# Allegro board 1151864-PCIE3_0_X16-166-20240802_20240815_2000_pcb.brd (continued)
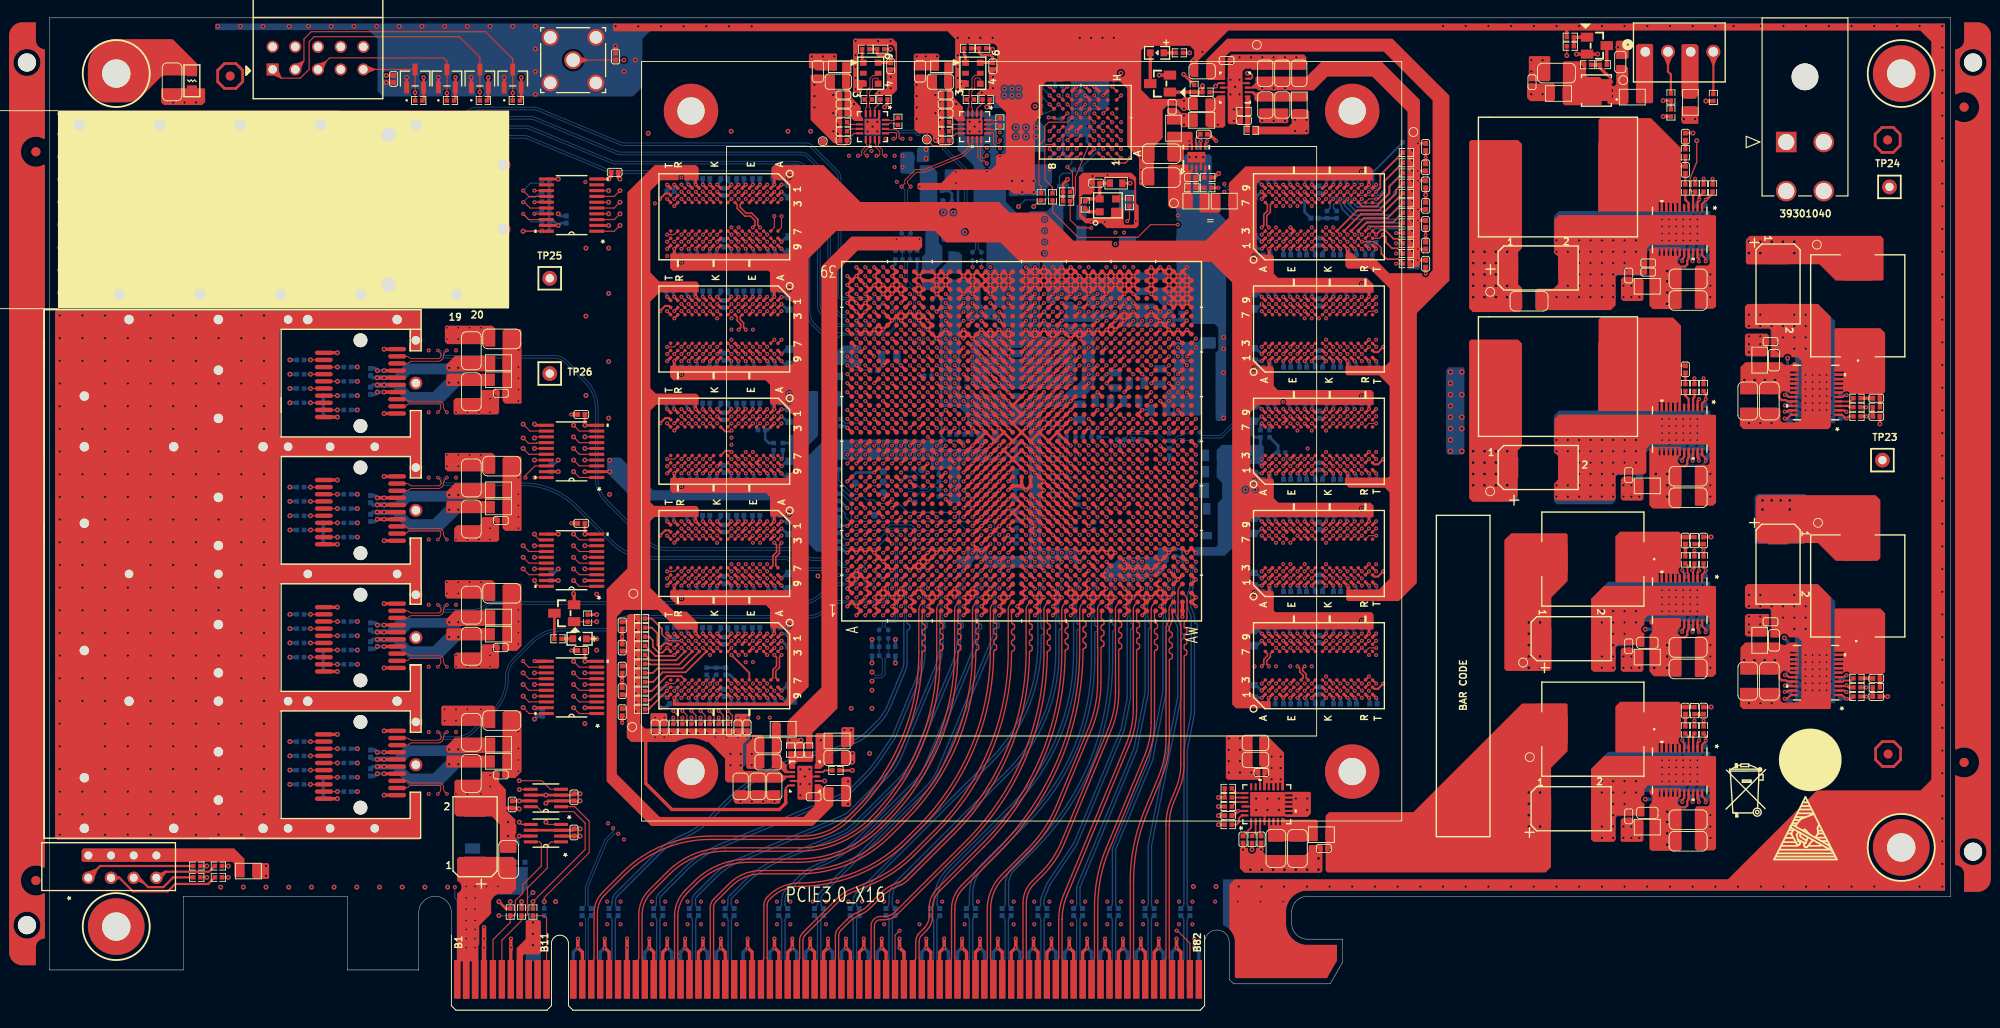
[diagram p0: board, top side]
## Routing (per net, layer and track width the routed paths; a pad name or vN(x,y) marks a point on that pad's centre or on a via; arc(x,y) is an arc through that point) (continued)
N16842539: length 7.3
  BOTTOM w0.15: P2.A25 71.65,5.09 arc(71.69,5.28) 71.8,5.44 71.82,5.46 arc(71.93,5.63) 71.96,5.82 71.97,5.83 71.97,7.21 71.97,10.02 arc(71.93,10.23) 71.81,10.41 C325.2
N16842603: length 7.3
  BOTTOM w0.15: C328.2 76.49,10.42 arc(76.38,10.27) 76.34,10.08 76.34,7.06 76.34,5.79 arc(76.38,5.61) 76.48,5.45 76.5,5.43 arc(76.61,5.27) 76.65,5.08 P2.A30
N16842605: length 7.3
  BOTTOM w0.15: C327.2 75.81,10.41 arc(75.93,10.23) 75.97,10.02 75.97,7.21 75.97,5.83 75.96,5.82 arc(75.93,5.63) 75.82,5.46 75.8,5.44 arc(75.69,5.28) 75.65,5.09 P2.A29
N16842669: length 7.3
  BOTTOM w0.15: P2.A36 82.65,5.08 arc(82.61,5.27) 82.5,5.43 82.48,5.45 arc(82.38,5.61) 82.34,5.79 82.34,7.06 82.34,10.08 arc(82.38,10.27) 82.49,10.42 C332.2
N16842671: length 7.3
  BOTTOM w0.15: C331.2 81.81,10.41 arc(81.93,10.23) 81.97,10.02 81.97,7.21 81.97,5.83 81.96,5.82 arc(81.93,5.63) 81.82,5.46 81.8,5.44 arc(81.69,5.28) 81.65,5.09 P2.A35
N16842735: length 7.3
  BOTTOM w0.15: C334.2 86.49,10.42 arc(86.38,10.27) 86.34,10.08 86.34,7.06 86.34,5.79 arc(86.38,5.61) 86.48,5.45 86.5,5.43 arc(86.61,5.27) 86.65,5.08 P2.A40
N16842737: length 7.3
  BOTTOM w0.15: C333.2 85.81,10.41 arc(85.93,10.23) 85.97,10.02 85.97,7.21 85.97,5.83 85.96,5.82 arc(85.93,5.63) 85.82,5.46 85.8,5.44 arc(85.69,5.28) 85.65,5.09 P2.A39
N16842801: length 7.3
  BOTTOM w0.15: P2.A44 90.65,5.08 arc(90.61,5.27) 90.5,5.43 90.48,5.45 arc(90.38,5.61) 90.34,5.79 90.34,10.08 arc(90.38,10.27) 90.49,10.42 C336.2
N16842803: length 7.3
  BOTTOM w0.15: P2.A43 89.65,5.09 arc(89.69,5.28) 89.8,5.44 89.82,5.46 arc(89.93,5.63) 89.96,5.82 89.97,5.83 89.97,10.02 arc(89.93,10.23) 89.81,10.41 C335.2
N16842867: length 7.3
  BOTTOM w0.15: P2.A48 94.65,5.08 arc(94.61,5.27) 94.5,5.43 94.48,5.45 arc(94.38,5.61) 94.34,5.79 94.34,10.08 arc(94.38,10.27) 94.49,10.42 C338.2
N16842869: length 7.3
  BOTTOM w0.15: C337.2 93.81,10.41 arc(93.93,10.23) 93.97,10.02 93.97,5.83 93.96,5.82 arc(93.93,5.63) 93.82,5.46 93.8,5.44 arc(93.69,5.28) 93.65,5.09 P2.A47
N16842933: length 7.3
  BOTTOM w0.15: C340.2 99.49,10.42 arc(99.38,10.27) 99.34,10.08 99.34,5.79 arc(99.38,5.61) 99.48,5.45 99.5,5.43 arc(99.61,5.27) 99.65,5.08 P2.A53
N16842935: length 7.3
  BOTTOM w0.15: P2.A52 98.65,5.09 arc(98.69,5.28) 98.8,5.44 98.82,5.46 arc(98.93,5.63) 98.96,5.82 98.97,5.83 98.97,10.02 arc(98.93,10.23) 98.81,10.41 C339.2
N16842999: length 7.3
  BOTTOM w0.15: P2.A57 103.65,5.08 arc(103.61,5.27) 103.5,5.43 103.48,5.45 arc(103.38,5.61) 103.34,5.79 103.34,10.08 arc(103.38,10.27) 103.49,10.42 C344.2
N16843001: length 7.3
  BOTTOM w0.15: C343.2 102.81,10.41 arc(102.93,10.23) 102.97,10.02 102.97,5.83 102.96,5.82 arc(102.93,5.63) 102.82,5.46 102.8,5.44 arc(102.69,5.28) 102.65,5.09 P2.A56
N16843065: length 7.3
  BOTTOM w0.15: C346.2 107.49,10.42 arc(107.38,10.27) 107.34,10.08 107.34,5.79 arc(107.38,5.61) 107.48,5.45 107.5,5.43 arc(107.61,5.27) 107.65,5.08 P2.A61
N16843067: length 7.3
  BOTTOM w0.15: C345.2 106.81,10.41 arc(106.93,10.23) 106.97,10.02 106.97,5.83 106.96,5.82 arc(106.93,5.63) 106.82,5.46 106.8,5.44 arc(106.69,5.28) 106.65,5.09 P2.A60
N16843131: length 7.3
  BOTTOM w0.15: C348.2 111.49,10.42 arc(111.38,10.27) 111.34,10.08 111.34,5.79 arc(111.38,5.61) 111.48,5.45 111.5,5.43 arc(111.61,5.27) 111.65,5.08 P2.A65
N16843133: length 7.3
  BOTTOM w0.15: C347.2 110.81,10.41 arc(110.93,10.23) 110.97,10.02 110.97,5.83 110.96,5.82 arc(110.93,5.63) 110.82,5.46 110.8,5.44 arc(110.69,5.28) 110.65,5.09 P2.A64
N16843197: length 7.3
  BOTTOM w0.15: C350.2 115.49,10.42 arc(115.38,10.27) 115.34,10.08 115.34,5.79 arc(115.38,5.61) 115.48,5.45 115.5,5.43 arc(115.61,5.27) 115.65,5.08 P2.A69
N16843199: length 7.3
  BOTTOM w0.15: C349.2 114.81,10.41 arc(114.93,10.23) 114.97,10.02 114.97,5.83 114.96,5.82 arc(114.93,5.63) 114.82,5.46 114.8,5.44 arc(114.69,5.28) 114.65,5.09 P2.A68
N16843263: length 7.3
  BOTTOM w0.15: C352.2 119.49,10.42 arc(119.38,10.27) 119.34,10.08 119.34,5.79 arc(119.38,5.61) 119.48,5.45 119.5,5.43 arc(119.61,5.27) 119.65,5.08 P2.A73
N16843265: length 7.3
  BOTTOM w0.15: C351.2 118.81,10.41 arc(118.93,10.23) 118.97,10.02 118.97,5.83 118.96,5.82 arc(118.93,5.63) 118.82,5.46 118.8,5.44 arc(118.69,5.28) 118.65,5.09 P2.A72
N16843329: length 7.3
  BOTTOM w0.15: P2.A77 123.65,5.08 arc(123.61,5.27) 123.5,5.43 123.48,5.45 arc(123.38,5.61) 123.34,5.79 123.34,10.08 arc(123.38,10.27) 123.49,10.42 C354.2
N16843331: length 7.3
  BOTTOM w0.15: P2.A76 122.65,5.09 arc(122.69,5.28) 122.8,5.44 122.82,5.46 arc(122.93,5.63) 122.96,5.82 122.97,5.83 122.97,10.02 arc(122.93,10.23) 122.81,10.41 C353.2
N16843395: length 7.3
  BOTTOM w0.15: C356.2 127.49,10.42 arc(127.38,10.27) 127.34,10.08 127.34,5.79 arc(127.38,5.61) 127.48,5.45 127.5,5.43 arc(127.61,5.27) 127.65,5.08 P2.A81
N16843397: length 7.3
  BOTTOM w0.15: C355.2 126.81,10.41 arc(126.93,10.23) 126.97,10.02 126.97,5.83 126.96,5.82 arc(126.93,5.63) 126.82,5.46 126.8,5.44 arc(126.69,5.28) 126.65,5.09 P2.A80
N16845868: length 7.2
  BOTTOM w0.127: P2.A11 55.65,10.34 R203.1
N16846869: length 7.4
  BOTTOM w0.102: P2.A13 59.65,5.29 60.01,5.66 60.01,10.21 C319.1
N16846872: length 7.4
  BOTTOM w0.102: C320.1 60.31,10.24 60.31,5.63 60.65,5.29 P2.A14
N16851432: length 5.1
  TOP w0.127: TP1.1 87.13,96.77 88.93,96.77 89.29,97.13 C363.2 90.07,98.22 U20.8
N16851482: length 5.1
  TOP w0.305: R207.2 L24.1 92.66,107.64 92.66,107.11 92.81,106.96 93.95,106.96 94.17,106.74 C357.2 U21.6
N16851524: length 1.6
  TOP w0.305: R207.1 90.97,106.26 U21.1
N16851626: length 4.5
  TOP w0.305: R208.1 93.82,101.5 v2(93.48,101.17)
  ART03 w0.305: v2(93.48,101.17) 90.41,101.17 v2(90.08,101.5)
N16851763: length 1.5
  TOP w0.127: U20.6 89.53,99.22 R210.1
N16851767: length 1.5
  TOP w0.127: U20.7 89.55,98.72 R211.1
N16852110: length 13
  TOP w0.127: U1.F10 v1(95.32,53.23)
  BOTTOM w0.102: C16.1 93.53,42.94 93.53,43.25 93.76,43.48 94.69,43.48 94.97,43.75 94.97,44.02 94.92,44.07 94.92,53.13 95.02,53.23 v1(95.32,53.23)
N16852112: length 12.9
  TOP w0.127: U1.E10 v1(94.32,53.23)
  BOTTOM w0.102: C17.1 93.23,42.94 93.23,43.37 93.63,43.77 94.57,43.77 94.67,43.88 94.67,44.02 94.72,44.07 94.72,53.03 94.52,53.23 v1(94.32,53.23)
N16871454: length 1.9
  TOP w0.127: R208.2 93.02,101.67 92.38,101.03 U20.2
N16871901: length 1.7
  TOP w0.305: R213.2 102.38,107.03 102.54,106.87 U22.1
N16871904: length 5.1
  TOP w0.305: R213.1 L26.1 104.06,107.26 104.33,106.98 105.33,106.98 105.6,106.72 C364.2 U22.6
N16872741: length 4.5
  TOP w0.305: v2(104.91,101.17) 105.25,101.5 R214.1
  ART03 w0.381: v2(104.91,101.17) 104.58,101.5 v2(101.51,101.5)
N16872743: length 1.9
  TOP w0.127: R214.2 104.45,101.62 103.81,100.98 U23.2
N16873165: length 5.1
  TOP w0.127: U23.8 101.5,98.22 C374.2 100.72,96.95 100.59,96.82 98.91,96.82 TP2.1
N16873548: length 1.5
  TOP w0.127: U23.6 100.96,99.22 R216.1
N16873553: length 1.5
  TOP w0.127: U23.7 100.98,98.72 R217.1
N16885377: length 1.3
  TOP w0.127: U4.F9 v1(77.95,72.7)
  BOTTOM w0.127: R70.1 78.07,72.58 v1(77.95,72.7)
N16889070: length 1.3
  TOP w0.127: U5.F9 v1(77.95,85.27)
  BOTTOM w0.127: R72.1 78.07,85.15 v1(77.95,85.27)
N16891334: length 1.3
  TOP w0.127: U4.N9 v1(71.55,72.7)
  BOTTOM w0.127: v1(71.55,72.7) 71.72,72.53 R69.2
N16891850: length 1.3
  TOP w0.127: U5.N9 v1(71.55,85.27)
  BOTTOM w0.127: v1(71.55,85.27) 71.72,85.1 R71.2
N16893653: length 1.3
  TOP w0.127: U6.F9 v1(77.95,47.56)
  BOTTOM w0.127: R75.1 78.07,47.43 v1(77.95,47.56)
N16894245: length 1.3
  TOP w0.127: U7.F9 v1(77.95,34.98)
  BOTTOM w0.127: v1(77.95,34.98) 78.07,34.86 R77.1
N16894558: length 1.3
  TOP w0.127: U6.N9 v1(71.55,47.56)
  BOTTOM w0.127: v1(71.55,47.56) 71.72,47.38 R74.2
N16894677: length 1.3
  TOP w0.127: U7.N9 v1(71.55,34.98)
  BOTTOM w0.127: v1(71.55,34.98) 71.72,34.81 R76.2
N16896749: length 1.3
  TOP w0.127: U9.F9 v1(139.69,92.47)
  BOTTOM w0.127: v1(139.69,92.47) 139.57,92.6 R112.1
N16897341: length 1.3
  TOP w0.127: U10.F9 v1(139.69,79.9)
  BOTTOM w0.127: v1(139.69,79.9) 139.57,80.03 R114.1
N16897671: length 1.3
  TOP w0.127: U9.N9 v1(146.09,92.47)
  BOTTOM w0.127: R111.2 145.92,92.65 v1(146.09,92.47)
N16897790: length 1.3
  TOP w0.127: U10.N9 v1(146.09,79.9)
  BOTTOM w0.127: R113.2 145.92,80.08 v1(146.09,79.9)
N16905264: length 1.3
  TOP w0.127: U11.F9 v1(139.69,42.18)
  BOTTOM w0.127: v1(139.69,42.18) 139.57,42.31 R117.1
N16905856: length 1.3
  TOP w0.127: U12.F9 v1(139.69,54.76)
  BOTTOM w0.127: v1(139.69,54.76) 139.57,54.88 R119.1
N16906169: length 1.3
  TOP w0.127: U11.N9 v1(146.09,42.18)
  BOTTOM w0.127: v1(146.09,42.18) 145.92,42.36 R116.2
N16906288: length 1.3
  TOP w0.127: U12.N9 v1(146.09,54.76)
  BOTTOM w0.127: R118.2 145.92,54.93 v1(146.09,54.76)
N16916920: length 14.6
  TOP w0.102: v1(96.4,92.25) 96.04,92.61 96.04,92.86 97.05,93.86 97.95,93.86 102.29,95.66 103.21,96.58 103.21,97.1 103.31,97.21 U23.10
  BOTTOM w0.102: C372.1 96.04,88.33 96.04,91.89 v1(96.4,92.25)
N16916923: length 14.6
  TOP w0.102: v1(95.39,92.25) 95.75,92.61 95.75,92.98 96.93,94.16 97.89,94.16 102.13,95.91 102.91,96.7 102.91,97.1 102.81,97.2 U23.9
  BOTTOM w0.102: C373.1 95.75,88.33 95.75,91.89 v1(95.39,92.25)
N16922548: length 2.5
  TOP w0.127: U1.P28 v1(102.32,72.23)
  BOTTOM w0.127: R44.2 102.8,70.78 102.8,71.74 v1(102.32,72.23)
N16922617: length 2.8
  TOP w0.127: U1.P23 v1(102.32,66.23)
  BOTTOM w0.127: v1(102.32,66.23) 101.81,65.72 101.81,65 101.52,64.71 R37.2
N16922663: length 1.5
  TOP w0.127: U1.P21 v1(102.32,65.23)
  BOTTOM w0.127: v1(102.32,65.23) 102.42,65.13 R35.2
N16926271: length 3.9
  TOP w0.127: U1.AF18 v1(115.32,61.23)
  BOTTOM w0.127: v1(115.32,61.23) 114.77,61.78 114.77,63.66 114.86,63.75 R68.2
N16926430: length 1.5
  TOP w0.127: U1.AF12 v1(115.32,55.23)
  BOTTOM w0.127: v1(115.32,55.23) 114.89,54.8 R59.2
N16926476: length 6.7
  TOP w0.127: U1.AF16 v1(115.32,59.23)
  BOTTOM w0.127: v1(115.32,59.23) 114.86,59.69 114.16,59.69 113.89,59.96 R61.2
N16934040: length 2.3
  TOP w0.254: 182.51,83.29 183.06,83.29 183.32,83.54 183.32,83.96 183.47,84.33 U24.19
  vias: v3(181.07,82.8) v3(181.07,81.65) v3(181.07,80.38) v3(181.07,79.11)
N16934962: length 1.7
  TOP w0.305: R227.1 C376.1 182.48,94.53
N16935168: length 2
  TOP w0.254: R224.1 183.1,90.77 183.47,90.4 U24.4
N16935173: length 1.2
  TOP w0.254: C376.2 R224.2
N16935346: length 1
  TOP w0.305: C385.2 R227.2
N16935448: length 2
  TOP w0.254: v1(185.38,83.88) 185.38,84.16 184.97,84.57 U24.22
  BOTTOM w0.254: v1(185.38,83.88) 185.63,84.13 R221.1
N16935455: length 1.7
  TOP w0.254: v1(184.61,83.88) 184.61,84.13 184.47,84.28 U24.21
  BOTTOM w0.254: R220.1 v1(184.61,83.88)
N16935462: length 1.8
  TOP w0.254: U24.20 183.97,83.98 183.91,83.93 v1(183.91,83.9)
  BOTTOM w0.254: v1(183.91,83.9) 183.89,83.9 183.6,84.19 R219.1
N16937065: length 3.1
  TOP w0.254: v1(185.39,90.8) 185.39,90.72 184.97,90.3 U24.1
  TOP w0.305: R226.2 186.15,91.48 185.47,90.8 v1(185.39,90.8)
  BOTTOM w0.254: R223.2 v1(185.39,90.8)
N16937174: length 2.9
  TOP w0.254: U24.2 184.47,90.56 184.64,90.73 v1(184.64,90.8)
  TOP w0.305: v1(184.64,90.8) 184.64,91.11 185.14,91.61 R222.2
  BOTTOM w0.305: v1(184.64,90.8) 184.64,90.66 184.39,90.4 R225.1
N16938331: length 2.3
  TOP w0.254: U25.19 183.47,42.8 183.32,42.43 183.32,42.01 183.06,41.76 182.51,41.76
  vias: v3(179.62,38.35) v3(181.07,40.89) v3(181.07,39.62) v3(181.07,38.35)
N16938383: length 1.8
  TOP w0.254: U25.20 183.97,42.45 183.91,42.4 v1(183.91,42.37)
  BOTTOM w0.254: v1(183.91,42.37) 183.89,42.37 183.6,42.66 R230.2
N16938387: length 1.7
  TOP w0.254: v1(184.61,42.35) 184.61,42.6 184.47,42.75 U25.21
  BOTTOM w0.254: R231.2 v1(184.61,42.35)
N16938391: length 11
  TOP w0.254: U25.22 184.97,43.04 185.38,42.63 v1(185.38,42.35)
  ART03 w0.381: v2(178.62,42.67) 180.87,42.67 181.94,41.6 185,41.6 185.38,41.98 v1(185.38,42.35)
  BOTTOM w0.254: v1(185.38,42.35) 185.63,42.6 R232.2
  BOTTOM w0.381: R233.2 v2(178.62,42.67)
N16938407: length 1.6
  TOP w0.381: R237.1 C393.1 182.48,53
N16938429: length 2.7
  TOP w0.203: R234.1 185.14,49.52 v1(185.39,49.27)
  TOP w0.254: U25.1 184.97,48.77 185.39,49.19 v1(185.39,49.27)
  BOTTOM w0.254: R229.2 v1(185.39,49.27)
N16938437: length 1.8
  TOP w0.203: U25.4 183.47,48.87 183.34,49 183.34,49.8 R236.1
N16938445: length 1.4
  TOP w0.381: C393.2 R236.2
N16951020: length 3.3
  TOP w0.203: U31.3 128.37,93.37 C436.1
  TOP w0.381: C436.1 R277.1 R279.1
N16951039: length 1.2
  TOP w0.203: U31.5 129.37,93.8 129.25,93.68 R276.2
N16951043: length 4.3
  TOP w0.203: v1(129.58,97.36) 129.58,97.26 129.37,97.05 U31.6
  ART03 w0.305: v1(127.6,97.36) 128.29,98.04 129.27,98.04 129.58,97.74 v1(129.58,97.36)
  BOTTOM w0.381: v1(129.58,97.36) 129.5,97.28 R278.1
N16951091: length 1.6
  TOP w0.203: C438.2 128.32,97.64 128.32,97.16 128.37,97.11 U31.8
N16951254: length 1.5
  TOP w0.203: U31.7 v1(128.87,97.36)
  BOTTOM w0.381: R278.2 128.7,97.19 v1(128.87,97.36)
N16959143: length 1.3
  TOP w0.127: U8.F9 v1(77.95,60.13)
  BOTTOM w0.127: R108.1 78.07,60 v1(77.95,60.13)
N16959278: length 1.3
  TOP w0.127: U8.N9 v1(71.55,60.13)
  BOTTOM w0.127: v1(71.55,60.13) 71.72,59.95 R107.2
N16964872: length 1.3
  TOP w0.127: U13.F9 v1(139.69,67.33)
  BOTTOM w0.127: v1(139.69,67.33) 139.57,67.45 R150.1
N16965007: length 1.3
  TOP w0.127: U13.N9 v1(146.09,67.33)
  BOTTOM w0.127: v1(146.09,67.33) 145.92,67.5 R149.2
N17001920: length 2.1
  TOP w0.305: v1(49.94,89.88) v1(49.28,89.88) J3.29
N17001923: length 1.4
  TOP w0.305: J3.30 v1(49.28,90.68)
  vias: v1(49.94,90.68) v2(42.27,88.94) v2(42.27,88.05)
N17001939: length 1.4
  TOP w0.305: v1(43.99,89.48) J3.10
N17005157: length 3.8
  TOP w0.381: P1.A15 v2(37.47,70.04) v2(36.71,70.04)
  BOTTOM w0.381: C280.1 36.22,70.04 v2(36.71,70.04) v2(37.47,70.04)
  vias: v2(44.75,70.3) v2(45.77,70.3)
N17005403: length 3.8
  TOP w0.381: P1.A16 v2(37.47,70.84) v2(36.71,70.84)
  BOTTOM w0.381: C287.1 36.21,70.84 v2(36.71,70.84) v2(37.47,70.84)
  vias: v2(44.75,71.95) v2(45.77,71.95)
N17005939: length 3.8
  TOP w0.381: v2(36.71,55.79) v2(37.47,55.79) 37.47,55.79 P1.B15
  BOTTOM w0.381: v2(37.47,55.79) v2(36.71,55.79) 36.22,55.79 C284.1
  vias: v2(44.75,56.05) v2(45.77,56.05)
N17006006: length 3.8
  TOP w0.381: v2(36.71,56.59) v2(37.47,56.59) P1.B16
  BOTTOM w0.381: C290.1 36.21,56.59 v2(36.71,56.59) v2(37.47,56.59)
  vias: v2(44.75,57.7) v2(45.77,57.7)
N17006394: length 3.8
  TOP w0.381: P1.C15 v2(37.47,41.54) v2(36.71,41.54)
  BOTTOM w0.381: v2(37.47,41.54) v2(36.71,41.54) 36.22,41.54 C292.1
  vias: v2(44.75,41.8) v2(45.77,41.8)
N17006461: length 3.8
  TOP w0.381: v2(36.71,42.34) v2(37.47,42.34) P1.C16
  BOTTOM w0.381: C296.1 36.21,42.34 v2(36.71,42.34) v2(37.47,42.34)
  vias: v2(44.75,43.45) v2(45.77,43.45)
N17006887: length 3.8
  TOP w0.381: v2(36.71,27.29) v2(37.47,27.29) P1.D15
  BOTTOM w0.381: C298.1 36.22,27.29 v2(36.71,27.29) v2(37.47,27.29)
  vias: v2(44.75,27.55) v2(45.77,27.55)
N17006954: length 3.8
  TOP w0.381: P1.D16 v2(37.47,28.09) v2(36.71,28.09)
  BOTTOM w0.381: C302.1 36.21,28.09 v2(36.71,28.09) v2(37.47,28.09)
  vias: v2(44.75,29.2) v2(45.77,29.2)
N17028921: length 2.3
  TOP w0.254: 193.63,37.76 193.63,37.21 193.88,36.95 194.3,36.95 194.67,36.8 U26.19
  vias: v3(189.66,39.2) v3(190.83,39.2) v3(191.97,39.2) v3(193.11,39.2)
N17028973: length 1.8
  TOP w0.254: U26.20 194.32,36.3 194.27,36.36 v1(194.24,36.36)
  BOTTOM w0.254: R239.2 194.53,36.67 194.24,36.38 v1(194.24,36.36)
N17028977: length 1.7
  TOP w0.254: U26.21 194.62,35.8 194.47,35.65 v1(194.22,35.65)
  BOTTOM w0.254: R240.2 v1(194.22,35.65)
N17028981: length 11.9
  TOP w0.254: U26.22 194.91,35.3 194.5,34.89 v1(194.22,34.89)
  ART03 w0.305: v2(194.18,41.7) 194.31,41.7 194.8,41.22 194.8,38.61 194.49,38.3 194.09,38.3 193.47,37.69 193.47,35.38 193.96,34.89 v1(194.22,34.89)
  BOTTOM w0.254: R241.2 194.47,34.64 v1(194.22,34.89)
  BOTTOM w0.381: v2(194.18,41.7) 194.54,41.34 R242.2
N17028997: length 1.6
  TOP w0.381: 204.87,37.79 C402.1 R247.1
N17029019: length 2.7
  TOP w0.254: R245.1 201.65,34.88 v1(201.14,34.88) 201.06,34.88 200.64,35.3 U26.1
  BOTTOM w0.254: R238.2 v1(201.14,34.88)
N17029027: length 1.8
  TOP w0.203: R244.1 201.67,36.93 200.87,36.93 200.74,36.8 U26.4
N17029031: length 1.4
  TOP w0.381: R244.2 C402.2
N17033354: length 2.3
  TOP w0.254: U27.19 183.47,23.75 183.32,23.38 183.32,22.96 183.06,22.71 182.51,22.71
  vias: v3(181.07,22.22) v3(181.07,21.08) v3(181.07,19.81) v3(181.07,18.54)
N17033435: length 1.8
  TOP w0.254: U27.20 183.97,23.4 183.91,23.35 v1(183.91,23.32)
  BOTTOM w0.254: v1(183.91,23.32) 183.89,23.32 183.6,23.61 R250.2
N17033439: length 1.7
  TOP w0.254: v1(184.61,23.3) 184.61,23.55 184.47,23.7 U27.21
  BOTTOM w0.254: R251.2 v1(184.61,23.3)
N17033443: length 10.7
  TOP w0.254: U27.22 184.97,23.99 185.38,23.58 v1(185.38,23.3)
  ART03 w0.305: v1(185.38,23.3) 185.38,23.49 184.76,24.1 179.1,24.1 v2(178.62,23.62)
  BOTTOM w0.254: v1(185.38,23.3) 185.63,23.55 R252.2
  BOTTOM w0.381: R253.2 v2(178.62,23.62)
N17033459: length 1.6
  TOP w0.381: 182.48,33.95 C411.1 R257.1
N17033481: length 2.7
  TOP w0.254: R255.1 185.39,30.73 v1(185.39,30.22) 185.39,30.14 184.97,29.72 U27.1
  BOTTOM w0.254: R249.2 v1(185.39,30.22)
N17033487: length 1.8
  TOP w0.203: U27.4 183.47,30.62 R254.1
N17033491: length 1.4
  TOP w0.381: R254.2 C411.2
N17035498: length 2.3
  TOP w0.254: U29.19 194.67,68.18 194.3,68.34 193.88,68.34 193.63,68.59 193.63,69.14
  vias: v3(189.71,70.58) v3(190.85,70.58) v3(191.99,70.58) v3(193.14,70.58)
N17035579: length 1.8
  TOP w0.254: U29.20 194.32,67.68 194.27,67.74 v1(194.24,67.74)
  BOTTOM w0.254: R265.2 194.53,68.05 194.24,67.76 v1(194.24,67.74)
N17035583: length 1.7
  TOP w0.254: v1(194.22,67.04) 194.47,67.04 194.62,67.18 U29.21
  BOTTOM w0.254: R266.2 v1(194.22,67.04)
N17035587: length 20.1
  TOP w0.254: U29.22 194.91,66.68 194.5,66.28 v1(194.22,66.28)
  ART03 w0.381: v2(194.54,73.04) 194.13,72.62 189.05,72.62 188.65,72.21 188.65,67.79 189.41,67.03 192.97,67.03 193.73,66.28 v1(194.22,66.28)
  BOTTOM w0.254: v1(194.22,66.28) 194.47,66.02 R267.2
  BOTTOM w0.305: R268.2 v2(194.54,73.04)
N17035603: length 1.6
  TOP w0.381: R272.1 C429.1 204.87,69.17
N17035625: length 2.7
  TOP w0.203: R270.1 201.39,66.52 v1(201.14,66.26)
  TOP w0.254: U29.1 200.64,66.68 201.06,66.26 v1(201.14,66.26)
  BOTTOM w0.254: R264.2 v1(201.14,66.26)
N17035631: length 1.8
  TOP w0.203: R269.1 201.54,68.18 U29.4
N17035635: length 1.4
  TOP w0.381: R269.2 C429.2
N17039283: length 2.3
  TOP w0.254: 182.51,60.94 183.06,60.94 183.32,61.19 183.32,61.61 183.47,61.97 U32.19
  vias: v3(179.8,60.06) v3(181.07,60.06) v3(181.07,58.79) v3(181.07,57.52)
N17039331: length 1.9
  TOP w0.254: U32.3 183.97,68.55 184.12,68.7 R280.2
N17039335: length 1.8
  TOP w0.254: v1(183.91,61.55) 183.91,61.58 183.97,61.63 U32.20
  BOTTOM w0.254: v1(183.91,61.55) 183.89,61.55 183.6,61.84 R282.2
N17039339: length 1.7
  TOP w0.254: U32.21 184.47,61.93 184.61,61.78 v1(184.61,61.55)
  BOTTOM w0.254: R283.2 v1(184.61,61.55)
N17039343: length 8.3
  TOP w0.254: v1(185.38,61.52) 185.38,61.81 184.97,62.22 U32.22
  BOTTOM w0.254: R285.2 179.93,61.3 180.25,60.99 184.97,60.99 185.38,61.4 v1(185.38,61.52) 185.63,61.78 R284.2
N17039359: length 0.6
  TOP w0.305: C446.1 182.48,72.18
N17039381: length 2.8
  TOP w0.254: R286.1 185.39,69.09 v1(185.39,68.45) 185.39,68.37 184.97,67.95 U32.1
  BOTTOM w0.254: R281.2 v1(185.39,68.45)
N17039389: length 2
  TOP w0.254: U32.4 183.47,68.46 183.1,68.82 R287.1
N17039397: length 1.2
  TOP w0.254: C446.2 R287.2
N17055839: length 2
  TOP w0.203: U28.1 134.51,20.44 C421.1
N17056138: length 1.6
  TOP w0.203: C420.1 135.51,19.64 U28.3
N17056350: length 1.7
  TOP w0.203: U28.25 132.85,23.31 132.6,23.07 R262.2
N17057824: length 1.8
  TOP w0.203: R261.2 135.01,19.93 U28.2
N17057839: length 2.1
  TOP w0.203: U28.28 133.46,21.81 133.14,21.49 133.14,21.06 132.86,20.78 R260.2
N17058562: length 1.7
  TOP w0.203: R259.2 132.87,24.31 U28.23
N17058567: length 1.5
  TOP w0.203: R258.2 132.35,23.81 U28.24
N17063215: length 5.5
  TOP w0.203: v2(86.78,25.68) U33.7
  ART03 w0.254: v2(86.35,30.23) 86.78,29.79 v2(86.78,25.68)
N17068710: length 5.3
  TOP w0.203: v2(130.52,103.5) 130.85,103.84 U34.7
  ART03 w0.381: v2(130.77,99.19) 130.77,103.25 v2(130.52,103.5)
N17069675: length 1.5
  TOP w0.102: R212.1 106.34,99.89 106.1,99.64 105.64,99.64 105.56,99.72 U23.16
N17069689: length 1.5
  TOP w0.102: R212.2 106.32,99.09 106.06,99.35 105.6,99.35 105.47,99.22 U23.15
N17073406: length 1.6
  TOP w0.127: U8.B7 v1(81.15,61.73)
  BOTTOM w0.305: R97.2 81.08,61.8 v1(81.15,61.73)
N17073416: length 1.6
  TOP w0.127: U8.A7 v1(81.95,61.73)
  BOTTOM w0.305: v1(81.95,61.73) 82.09,61.87 R99.2
N17073860: length 2.3
  TOP w0.127: U8.E2 v1(78.75,66.53)
  BOTTOM w0.127: R94.1 79.15,65.17 79.15,66.13 v1(78.75,66.53)
N17074111: length 1.3
  TOP w0.305: U13.B7 v1(136.49,65.73)
  BOTTOM w0.305: v1(136.49,65.73) 136.56,65.66 R139.2
N17074114: length 1.4
  TOP w0.305: U13.A7 v1(135.69,65.73)
  BOTTOM w0.305: v1(135.69,65.73) 135.55,65.58 R140.2
N17074469: length 2.3
  TOP w0.127: U13.E2 v1(138.89,60.93)
  BOTTOM w0.127: v1(138.89,60.93) 138.49,61.33 138.49,62.29 R136.1
N17081235: length 12.3
  TOP w0.254: R52.1 5.69,16.14 D5.1
N17081237: length 7.5
  TOP w0.254: D5.3 10,14.83 11.05,13.78 12.78,13.78 13.87,14.87 R50.1
N17081239: length 12.9
  TOP w0.254: R51.1 17.79,14.14 14.1,14.14 13.26,13.3 9.37,13.3 7.84,14.83 D5.2
N17081241: length 7.1
  TOP w0.254: D5.4 12.35,14.83 13.03,15.51 17.89,15.51 R49.1
N17114545: length 8.5
  TOP w0.127: R202.2 55.36,10.59 55.65,10.3 P2.B11
N17129760: length 1.5
  TOP w0.102: R206.2 94.78,99.17 94.59,99.36 94.04,99.36 93.9,99.22 U20.15
N17129770: length 1.6
  TOP w0.102: R206.1 94.88,99.97 94.58,99.66 94.08,99.66 94.02,99.72 U20.16
N17130328: length 1.4
  TOP w0.127: U1.F15 v1(95.32,58.23)
  BOTTOM w0.102: C20.1 94.88,58.61 95.26,58.23 v1(95.32,58.23)
N17130342: length 1.5
  TOP w0.127: U1.F14 v1(94.32,58.23)
  BOTTOM w0.102: C19.1 v1(94.32,58.23)
N17184870: length 1
  TOP w0.381: R237.2 C394.2
N17185026: length 1
  TOP w0.381: R247.2 C403.2
N17185729: length 1
  TOP w0.381: R257.2 C413.2
N17187654: length 1
  TOP w0.381: R272.2 C432.2
N17188206: length 2.5
  TOP w0.381: R302.1 R303.1 Q4.1
N17188208: length 3.4
  TOP w0.254: Q3.4 174.7,104.41 174.32,104.79
  TOP w0.381: R299.2 R301.1 173.51,105.6 174.32,104.79
N17188545: length 4.7
  TOP w0.254: R300.1 J6.4
N17188811: length 4.8
  TOP w0.254: J6.2 181.16,105.14 181.48,104.81 R298.1
N17207091: length 1.5
  TOP w0.305: U1.AV34 v1(127.32,78.23)
  BOTTOM w0.381: R32.1 127.22,78.12 v1(127.32,78.23)
N17207391: length 1.8
  TOP w0.203: v1(182.76,49.27) 182.92,48.89 182.97,48.84 U25.5
  BOTTOM w0.203: R235.1 183.12,48.91 v1(182.76,49.27)
N17208468: length 1.8
  TOP w0.203: v1(182.76,30.22) 182.92,29.84 182.97,29.79 U27.5
  BOTTOM w0.254: R256.1 183.12,29.86 v1(182.76,30.22)
N17209058: length 1.8
  TOP w0.203: U26.5 200.71,37.3 200.76,37.35 v1(201.14,37.51)
  BOTTOM w0.254: R246.1 200.78,37.15 v1(201.14,37.51)
N17209416: length 1.7
  TOP w0.203: v1(201.14,68.89) 200.76,68.73 200.71,68.68 U29.5
  BOTTOM w0.254: R271.1 v1(201.14,68.89)
N17212197: length 3.9
  TOP w0.127: U1.C22 v1(91.32,66.23)
  BOTTOM w0.127: R34.1 88.61,66.22 89.06,65.76 90.85,65.76 v1(91.32,66.23)
N17212244: length 3.5
  TOP w0.127: U1.A27 v1(89.32,71.23)
  BOTTOM w0.127: v1(89.32,71.23) 89.8,71.7 91.81,71.7 R36.1
N17212562: length 2.1
  TOP w0.127: U1.L28 v1(99.32,72.23)
  BOTTOM w0.127: v1(99.32,72.23) 98.72,71.62 R43.1
N17212633: length 2.6
  TOP w0.127: U1.AF10 v1(115.32,53.23)
  BOTTOM w0.127: v1(115.32,53.23) 115.84,53.75 116.83,53.75 R58.1
N17212665: length 2
  TOP w0.127: U1.AG13 v1(116.32,56.23)
  BOTTOM w0.127: v1(116.32,56.23) 115.59,56.23 R60.1
N17212971: length 5
  TOP w0.127: U1.AJ18 v1(118.32,61.23)
  BOTTOM w0.127: R67.1 118.43,64.2 118.82,63.8 118.82,61.73 v1(118.32,61.23)
N17214535: length 2.1
  TOP w0.381: Q4.3 174.31,108.03 R301.2
N17215610: length 1.5
  TOP w0.127: U1.AJ28 v1(118.32,72.23)
  BOTTOM w0.127: v1(118.32,72.23) 117.84,72.71 R21.1
N17215747: length 1.5
  TOP w0.127: U3.3 R23.1
N17215756: length 4.6
  TOP w0.381: R22.2 116.22,90.87 U3.4 C4.1 L3.1
N17215758: length 1.8
  TOP w0.381: R22.1 116.31,89.43 U3.1
N17216836: length 2.4
  BOTTOM w0.305: U30.3 101.01,91.47 100.7,91.77 R273.2
N17239270: length 2.1
  BOTTOM w0.305: C154.2 R110.1 R109.1
N17239503: length 2.1
  BOTTOM w0.305: R151.1 R152.1 C243.2
N17243696: length 2.9
  TOP w0.127: U1.K15 v1(98.32,59.23)
  BOTTOM w0.127: v1(98.32,59.23) 97.76,59.78 97.26,60 96.71,60.54 R55.2
N17278385: length 2
  TOP w0.127: U1.D13 v1(93.32,56.23)
  BOTTOM w0.127: TP16.1 93.15,56.23 v1(93.32,56.23)
N17278388: length 1.8
  TOP w0.127: U1.D14 v1(92.32,58.23)
  BOTTOM w0.127: v1(92.32,58.23) 92.54,58.01 TP17.1
N17278391: length 2.2
  TOP w0.127: U1.D16 v1(92.32,59.23)